# KiCad board sakura50.kicad_pcb (continued)
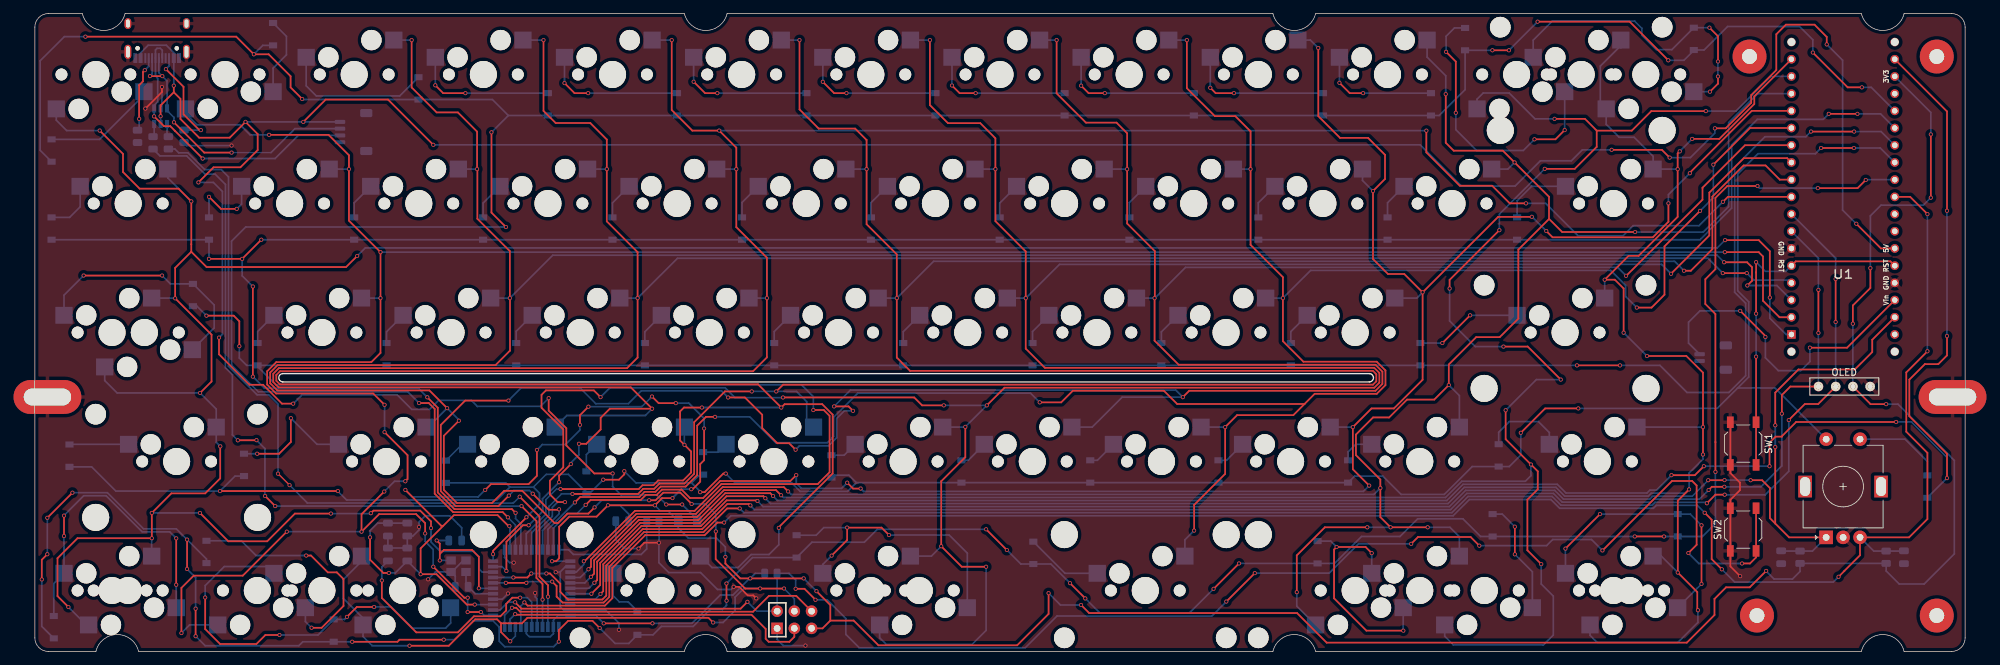
[diagram p0: board, top side]
## Routing (per net, layer and track width the routed paths; a pad name or vN(x,y) marks a point on that pad's centre or on a via; arc(x,y) is an arc through that point) (continued)
  Bottom w0.25: v1(241.12,72.93) 244.19,72.93 247.78,76.53 247.78,77.24 v1(247.79,77.25) ; v1(264.29,89.64) 266.62,87.31 266.62,65.18 v1(268.65,63.16) ; v1(27.16,46.34) 27.66,46.84 27.66,67.93 26.32,69.26 v1(24.12,69.26) ; J3.1 v1(39.59,78.2) v1(31.07,78.2) ; F1.1 97.71,19.59 ; v1(58.77,74.81) 204.32,74.81 210.41,68.72 218.32,68.72 222.05,72.45 226.62,72.45 228.24,74.07 v1(232.56,74.07) ; v1(20.49,83.55) USB1.11 20.48,87.64 20.48,88.43 19.39,89.52 16.71,89.52 15.59,88.4 USB1.2 ; v1(93.12,21.7) 91.71,23.11 86.47,23.11 85.21,24.37 v1(85.21,26.28) ; v1(95.47,21.7) 97.71,19.46 ; v1(75.78,37.41) 74.56,36.19 65.25,36.19 64.37,37.07 59.55,37.07 58.23,35.75 55.59,35.75 53.44,37.9 39.41,37.9 v1(38.1,36.59) ; U3.5 v1(18.54,79.04)
/MCU_D+: length 120.5
  Top w0.2: 32.67,31.19 v1(32.69,31.2)
  Top w0.25: v1(74.88,7.66) 74.88,9.96 73.98,10.86 73.98,19.27 v1(71.78,21.47) ; v1(33.96,22.96) v1(35.45,21.47) ; v1(29.94,31.19) 32.67,31.19
  Bottom w0.25: v1(29.94,31.19) 29.13,31.99 29.13,40.87 28.11,41.89 28.11,68.96 26.59,70.49 25.09,70.49 22.39,73.18 18.44,73.18 R1.2 ; v1(33.96,22.96) 33.94,22.98 33.94,29.95 v1(32.69,31.2) ; U2.4 v1(74.88,7.66) ; v1(35.45,21.47) v1(71.78,21.47)
/MCU_D-: length 117.2
  Top w0.2: v1(35.86,26.25) 35.87,26.25 v1(37.56,24.56)
  Top w0.25: v1(75.68,8.09) 75.68,9.8 74.42,11.05 74.42,19.93 v1(71.5,22.85)
  Bottom w0.25: v1(37.56,24.56) 40.19,21.93 40.19,21.92 70.57,21.92 v1(71.5,22.85) ; R2.2 20.65,74.2 21.22,73.63 22.58,73.63 25.05,71.16 27.49,71.16 28.56,70.09 28.56,42.12 32.78,37.9 34.5,37.9 35.86,36.54 v1(35.86,26.25) ; U2.3 v1(75.68,8.09)
col0: length 457.1
  Top w0.25: v1(47.54,58.4) 45.9,56.76 25.33,56.76 23.07,59.02 ; v1(27.35,30.28) 27.34,30.27 27.34,25.56 25.12,23.34 20.14,23.34 v1(17.25,20.45) v1(17.25,16.72) 6.28,16.72 3.34,13.77 3.34,8.17 v1(4.94,6.56) ; v1(58.43,18.21) 58.43,19.2 56.83,20.8 49.94,20.8 v1(49.56,20.41) ; 23.07,59.02 23.07,60.12 23.07,60.12 v1(23.07,66.46) 21.19,68.34 15.45,68.34 13,70.79 13,73.48 v1(9.56,76.92) ; 23.07,59.02 20.69,56.64 v1(20.69,52.15) 26.06,46.78 26.06,39.86 v1(24.37,38.17) ; v1(255.89,52.26) 255.89,59.1 254.26,60.74 v1(249.29,60.74) ; v1(24.35,20.45) 28.53,16.27 34.26,16.27 38.36,20.36 v1(43.66,20.36)
  Bottom w0.25: v1(47.54,58.4) 48.72,59.59 248.14,59.59 v1(249.29,60.74) ; U1.1 258.29,46.81 255.89,49.21 v1(255.89,52.26) ; MX1.2 3.16,78.45 4.69,76.92 v1(9.56,76.92) ; MX60.2 7.59,3.92 v1(4.94,6.56) ; v1(20.69,52.15) 20.66,52.18 MX27.2 ; v1(17.25,20.45) v1(24.35,20.45) ; v1(17.25,16.72) 17.22,16.7 MX51.2 ; v1(49.56,20.41) 49.51,20.36 v1(43.66,20.36) ; v1(58.43,18.21) 58.43,16.17 59.8,14.8 64.72,14.8 65.54,13.98 65.54,12.17 65.99,11.72 U2.20 ; v1(27.35,30.28) 26.75,30.88 MX39.2 26.75,35.8 v1(24.37,38.17) 12.13,38.17 10.3,40 MX28.2 ; v1(23.07,66.46) 19.6,69.93 MX15.2
col1: length 415.8
  Top w0.25: v1(51.57,36.42) 49.9,38.1 35.58,38.1 34.26,39.42 34.26,41.38 35.61,42.73 49.62,42.73 50.98,44.08 v1(50.98,52.18) v1(50.98,58.96) 46.32,63.62 v1(46.32,71.23) 46.32,73.28 43.31,76.29 v1(34.54,76.29) ; v1(57.57,17.43) 57.57,18.95 56.23,20.28 50.77,20.28 48.18,17.69 v1(48.18,17.69) 48.18,20.26 v1(51.53,23.62) ; v1(54.64,25.13) 54.97,25.46 54.97,28.99 v1(51.57,32.38) ; v1(37.16,17.69) 30.66,11.19 23.42,11.19 21.62,9.39 v1(21.62,2.72) ; v1(58.77,12.51) 63.34,7.94 v1(63.83,7.94) ; v1(65.78,5.82) v1(63.83,5.82) ; v1(249.26,58.96) 254.25,58.96 254.89,58.32 254.89,51.79 257.33,49.35 U1.2
  Bottom w0.25: MX2.2 22.21,79.45 23.88,77.77 30.26,77.77 31.74,76.29 v1(34.54,76.29) ; v1(63.83,5.82) v1(63.83,7.94) ; v1(37.16,17.69) v1(48.18,17.69) ; v1(21.62,2.72) 22.82,3.92 MX52.2 ; v1(57.57,17.43) 57.57,16.24 58.75,15.06 58.75,12.53 v1(58.77,12.51) ; v1(50.98,58.96) v1(249.26,58.96) ; v1(51.57,36.42) v1(51.57,32.38) ; U2.12 66.27,5.32 v1(65.78,5.82) ; v1(51.53,23.62) 53.05,25.13 v1(54.64,25.13) ; MX16.2 v1(46.32,71.23) ; MX29.2 v1(50.98,52.18)
col2: length 496.7
  Top w0.25: 68.76,4.16 68.17,4.74 64.94,4.74 61.05,0.84 v1(55.26,0.84) ; 68.76,4.16 71.83,4.16 72.65,4.97 99.35,4.97 v1(100.04,4.28) ; 68.76,4.16 68.76,2.85 v1(70.11,1.5) ; v1(82.55,21.27) 81.63,20.36 78.54,20.36 77.14,18.96 76.64,18.96 71.88,23.72 69.22,23.72 67.42,21.92 62.25,21.92 60.32,23.85 60.32,31.85 v1(62.54,34.07) ; v1(55.57,90.28) 55.57,83.29 59.26,79.6 62.39,79.6 65.22,76.76 v1(65.22,71.23) 65.27,71.19 65.27,63.9 70.06,59.11 v1(70.06,52.18) 70.07,52.16 70.07,44.42 67.94,42.28 35.8,42.28 34.71,41.19 34.71,39.6 35.76,38.55 58.19,38.55 v1(60.81,35.93) ; v1(100.43,17.72) 100.42,17.71 100.42,13.64 104.76,9.29 v1(106.98,9.29) 110.49,9.29 v1(110.49,9.3) ; v1(252.58,54.04) 253.26,54.72 253.26,56.75 252.54,57.47 v1(249.15,57.47) ; v1(96.87,21.78) 95.2,23.45 92.68,23.45 91.56,22.33 v1(90.6,22.33)
  Bottom w0.25: MX3.2 v1(55.57,90.28) ; MX40.2 58.01,33.13 v1(60.81,35.93) 62.54,34.19 v1(62.54,34.07) ; v1(96.87,21.78) 98.91,21.78 100.43,20.26 v1(100.43,17.72) ; U2.9 70.88,2.26 v1(70.11,1.5) ; v1(106.98,9.29) 104.55,9.29 103.27,8.01 103.27,6.05 101.5,4.28 v1(100.04,4.28) ; v1(110.49,9.3) 112.02,7.77 J2.3 ; v1(252.58,54.04) 256.93,54.04 U1.3 ; v1(249.15,57.47) 248.11,58.51 76.39,58.51 v1(70.06,52.18) MX30.2 ; MX17.2 v1(65.22,71.23) ; v1(55.26,0.84) 49.76,0.84 48.4,2.21 MX53.2 48.4,4.92 45.48,7.85 45.48,10.61 48.18,13.31 MX61.2 ; v1(82.55,21.27) 83.6,22.33 v1(90.6,22.33)
col3: length 407
  Top w0.25: v1(77.32,24.99) 77.32,25.94 v1(79.05,27.67) ; v1(75.02,90.28) 75.02,79.83 76.81,78.03 81.92,78.03 84.35,75.6 v1(84.35,71.23) 84.35,63.51 88.9,58.97 v1(88.9,52.18) 88.9,43.4 87.33,41.83 35.98,41.83 35.16,41.01 35.16,39.79 35.95,39 87.9,39 91.04,35.86 v1(91.04,35.85) 84.8,35.85 83.45,34.49 83.45,32.79 81.33,30.66 v1(80.25,30.66) ; v1(248.95,55.87) v1(252.49,55.87) ; v1(69.55,11.88) 69.55,16.2 71.98,18.63 v1(72.83,18.63)
  Bottom w0.25: MX18.2 v1(84.35,71.23) ; v1(248.95,55.87) 246.76,58.06 94.78,58.06 v1(88.9,52.18) MX31.2 ; v1(79.05,27.67) 79.05,27.85 80.25,29.05 v1(80.25,30.66) ; v1(91.04,35.85) 90.04,34.85 78.47,34.85 MX41.2 ; U2.21 68.91,12.52 v1(69.55,11.88) ; v1(72.83,18.63) 74.91,20.72 74.91,21.77 74.88,21.8 74.88,22.56 77.32,24.99 v1(77.32,24.99) ; v1(252.49,55.87) 253.51,54.85 258.66,54.85 U1.4 ; MX4.2 v1(75.02,90.28)
col4: length 486.4
  Top w0.25: v1(205.24,76.9) 205.23,76.9 205.23,73.69 210.15,68.77 214.94,68.77 217.54,66.17 v1(219.93,66.17) ; v1(98.38,36.02) 95.74,36.02 95.16,35.45 95.16,31.16 v1(95.81,30.5) 96.79,29.53 96.79,26.42 95.61,25.24 91.93,25.24 91.23,24.55 89.62,24.55 89.06,23.98 v1(77.54,23.98) ; U1.9 249.71,67.13 v1(248.98,66.4) ; v1(93.93,90.28) 93.93,79.95 96.97,76.91 v1(100.94,76.91) 103.46,74.39 v1(103.46,71.23) 103.46,62.66 107.97,58.15 107.97,52.18 v1(107.97,52.18) 107.97,43.42 105.93,41.38 36.17,41.38 35.61,40.82 35.61,39.97 36.14,39.45 106.66,39.45 v1(110.09,36.02) 110.58,36.51 116.13,36.51 117.67,34.97 117.67,26.28 109.73,18.35 v1(109.73,18.24)
  Bottom w0.25: v1(248.98,66.4) 245.45,62.88 235.73,62.88 234.24,61.39 227.61,61.39 222.83,66.17 v1(219.93,66.17) ; U2.27 72.48,17.38 75.36,20.26 75.36,22.4 76.94,23.98 v1(77.54,23.98) ; v1(95.81,30.5) 95.8,30.51 MX42.2 ; v1(98.38,36.02) v1(110.09,36.02) ; v1(205.24,76.9) 205.23,76.91 v1(100.94,76.91) ; v1(109.73,18.24) 109.73,15.77 108.27,14.31 105.65,14.31 103.73,12.39 99.87,12.39 MX54.2 ; MX32.2 v1(107.97,52.18) ; MX19.2 v1(103.46,71.23) ; MX5.2 v1(93.93,90.28)
col5: length 434.8
  Top w0.25: v1(105.73,38.4) 101.78,38.4 97.23,33.85 97.23,26.23 95.8,24.8 92.12,24.8 91.34,24.02 89.73,24.02 88.97,23.26 v1(79.29,23.26) ; v1(112.78,90.28) 112.78,80.04 115.61,77.21 120.99,77.21 122.67,75.53 v1(122.67,71.23) 122.67,63.09 127.13,58.63 v1(127.13,52.18) 127.13,43.4 129.09,41.44 197.35,41.44 197.85,40.94 197.85,39.89 197.36,39.4 110.35,39.4 v1(109.35,38.4) ; U1.10 257.36,69.67 255.27,71.76 252.02,71.76 247.42,67.16 247.42,59.4 244.24,56.22 v1(243.23,56.22)
  Bottom w0.25: v1(105.73,38.4) v1(109.35,38.4) 112.34,38.4 113.84,36.9 113.84,34.15 MX43.2 ; U2.28 73.28,17.55 75.81,20.08 75.81,21.4 77.67,23.26 v1(79.29,23.26) ; v1(243.23,56.22) 241.84,57.61 132.56,57.61 v1(127.13,52.18) MX33.2 ; MX20.2 v1(122.67,71.23) ; MX6.2 v1(112.78,90.28)
col6: length 469
  Top w0.25: v1(140.41,36.34) 143.01,38.95 197.54,38.95 198.3,39.71 198.3,41.13 197.54,41.89 148.97,41.89 146.15,44.71 v1(146.15,52.18) 146.15,59.07 141.67,63.54 v1(141.67,71.23) 141.67,75.78 139.44,78.01 134.68,78.01 132.01,80.68 v1(132.01,90.28) ; v1(134.06,36.34) 130.86,36.34 129.69,37.51 v1(110.35,37.51) ; v1(140.3,12.51) 136.71,12.51 v1(133.68,15.54) 133.68,25.13 137.23,28.69 v1(137.23,33.17) ; v1(78.19,22.05) 77.1,22.05 75.97,23.19 75.97,25.22 77.94,27.19 77.94,32.78 74.73,35.99 74.73,37.9 75.37,38.55 82.44,38.55 v1(83.43,37.56) ; v1(241.33,55.77) 241.33,55.79 246.97,61.43 246.97,67.76 252.06,72.85 258.44,72.85 U1.11
  Bottom w0.25: v1(241.33,55.77) 239.93,57.16 151.13,57.16 v1(146.15,52.18) MX34.2 ; MX7.2 v1(132.01,90.28) ; MX44.2 137.2,33.13 v1(137.23,33.17) v1(140.41,36.34) v1(134.06,36.34) ; v1(110.35,37.51) 110.31,37.47 103.27,37.47 101.82,38.93 84.81,38.93 v1(83.43,37.56) ; MX62.2 132.22,14.08 v1(133.68,15.54) ; MX55.2 124.6,2.02 125.59,1.02 138.21,1.02 140.3,3.11 v1(140.3,12.51) ; v1(78.19,22.05) 77.1,22.05 76.32,21.28 76.32,19.95 74.08,17.71 U2.29 ; MX21.2 v1(141.67,71.23)
col7: length 419.5
  Top w0.25: v1(69.85,37.05) 63.47,37.05 59.87,33.45 59.87,23.67 62.06,21.47 68.36,21.47 v1(69.91,23.01) ; v1(234.69,55.47) 234.72,55.47 245.96,66.71 245.96,68.48 252.23,74.75 U1.12 ; v1(150.7,90.28) 150.7,82.42 155.03,78.09 159.53,78.09 161.1,76.52 v1(161.1,71.22) 161.1,63.2 165.18,59.11 165.18,52.22 v1(165.14,52.18) 165.14,45.89 168.7,42.34 197.73,42.34 198.75,41.31 198.75,39.52 197.73,38.5 170.26,38.5 v1(169.31,37.55) ; v1(117.88,36.19) 120.02,36.19 v1(120.67,35.53) ; v1(102.25,37.51) 104.72,37.51 107.28,34.95 107.28,32.98 109.51,30.75 111.25,30.75 v1(112.2,29.8) ; v1(73.43,23.29) 75.8,20.93 77.25,20.93 v1(77.31,20.99)
  Bottom w0.25: MX22.2 161.09,71.23 v1(161.1,71.22) ; v1(77.31,20.99) 77.31,20.31 74.88,17.87 U2.30 ; MX35.2 v1(165.14,52.18) 165.18,52.18 169.71,56.71 233.45,56.71 v1(234.69,55.47) ; v1(112.2,29.8) 112.77,30.37 117.06,30.37 118.26,31.57 118.26,34.4 119.39,35.53 v1(120.67,35.53) ; v1(102.25,37.51) 101.27,38.48 89.43,38.48 87.55,36.59 82.73,36.59 80.4,38.93 71.73,38.93 v1(69.85,37.05) ; v1(117.88,36.19) 120.29,38.59 168.27,38.59 v1(169.31,37.55) 160.37,37.55 155.95,33.13 MX45.2 ; MX8.2 v1(150.7,90.28) ; v1(69.91,23.01) 70.66,23.77 72.95,23.77 v1(73.43,23.29)
col8: length 362.2
  Top w0.25: v1(170.98,17.85) 170.98,21.64 175.56,26.22 v1(175.56,33.13) 177.32,34.89 185.61,34.89 187.26,36.54 ; 187.26,36.54 168.48,36.54 166.52,38.5 153.09,38.5 151.38,36.78 v1(148.21,36.78) ; 187.26,36.54 188.77,38.05 197.92,38.05 199.2,39.33 199.2,41.5 197.91,42.79 187.1,42.79 184.08,45.81 v1(184.08,52.18) 184.08,55.27 179.3,60.04 v1(179.3,71.23) 179.3,76.8 177.06,79.05 174.04,79.05 169.91,83.18 v1(169.91,90.28) ; v1(245.6,65.06) 240.35,59.82 240.35,52.68 238.46,50.78 v1(236.27,50.78) ; v1(247.57,71.89) 252.97,77.29 U1.13 ; v1(79.65,22.01) 80.45,22.81 89.17,22.81 89.92,23.57 91.53,23.57 92.3,24.35 95.98,24.35 97.68,26.05 97.68,33.34 98.99,34.64 v1(100.32,34.64)
  Bottom w0.25: MX23.2 v1(179.3,71.23) ; v1(247.57,71.89) 247.57,67.03 v1(245.6,65.06) ; v1(100.32,34.64) 105.44,34.64 109.26,30.82 116.88,30.82 117.81,31.75 117.81,34.59 121.36,38.14 146.85,38.14 v1(148.21,36.78) ; MX46.2 v1(175.56,33.13) ; v1(170.98,17.85) 169.62,16.48 MX56.2 ; MX36.2 v1(184.08,52.18) 188.16,56.26 232.42,56.26 234.62,54.06 234.62,52.43 v1(236.27,50.78) ; v1(79.65,22.01) 75.68,18.04 U2.31 ; MX9.2 v1(169.91,90.28)
col9: length 299.5
  Top w0.25: v1(196.8,24.49) 194.39,26.9 v1(194.39,33.13) 197.14,35.88 200.44,35.88 204.68,40.12 v1(204.68,53.04) ; v1(189.3,89.11) 189.3,79.05 192.51,75.84 196.64,75.84 199.14,73.33 199.14,69.78 v1(197.36,68) 197.36,57.95 199.57,55.73 201.98,55.73 v1(204.68,53.04) ; v1(240.94,66.17) 240.94,63.45 238.65,61.16 223.85,61.16 v1(222.92,62.09) ; v1(121.79,24.06) 120.68,24.06 v1(119.81,24.92) ; 98.55,22.65 101.07,25.17 111.42,25.17 v1(112.3,26.04) ; 98.56,22.65 96.63,22.65 95.39,23.9 92.49,23.9 91.71,23.12 90.11,23.12 89.35,22.36 81.96,22.36 v1(81.24,21.64) ; v1(244.09,70.61) 244.09,70.7 253.23,79.83 U1.14 ; v1(204.68,53.04) 215.82,64.17 220.78,64.17 v1(220.79,64.18)
  Bottom w0.25: v1(119.81,24.92) 118.98,24.09 113.06,24.09 112.3,24.85 v1(112.3,26.04) ; v1(222.92,62.09) 220.84,64.17 ; U2.32 76.48,18.2 78.64,20.36 79.96,20.36 v1(81.24,21.64) ; v1(194.39,33.13) MX47.2 ; MX37.2 203.82,52.18 v1(204.68,53.04) ; v1(240.94,66.17) 240.94,67.46 v1(244.09,70.61) ; MX24.2 195.82,69.54 v1(197.36,68) ; v1(189.3,89.11) 188.13,90.28 MX10.2 ; v1(121.79,24.06) 122.21,23.64 195.94,23.64 v1(196.8,24.49)
col10: length 333.3
  Top w0.25: v1(205.43,18.33) v1(199.96,18.33) 198.45,19.84 v1(198.45,24.13) 198.45,25.39 194.84,28.99 194.84,32.02 197.37,34.55 199.75,34.55 202.39,37.2 206.4,37.2 v1(208.54,39.34) 208.54,42.37 212.58,46.41 216.05,46.41 218.8,49.16 218.8,59.35 223.33,63.87 ; 223.33,63.87 225.27,61.94 v1(236.03,61.94) ; 223.33,63.87 223.33,67.13 216.51,73.95 209.27,73.95 208.09,75.12 v1(208.09,82.3) ; v1(196.52,18.33) 190.27,18.33 186.12,14.19 v1(186.12,8.75) ; v1(111.1,23.63) 110.46,24.27 101.45,24.27 97.49,20.31 88.7,20.31 82.03,13.64 82.03,12.51 v1(81.66,12.14)
  Bottom w0.25: MX57.2 186.12,6.69 v1(186.12,8.75) ; MX48.2 210.1,37.78 v1(208.54,39.34) ; v1(236.03,61.94) 246.07,61.94 249.81,65.68 249.81,78.07 254.11,82.37 U1.15 ; v1(208.09,82.3) 208.09,85.01 205.34,87.77 MX11.2 ; v1(81.66,12.14) 80.44,10.92 U2.37 ; v1(198.45,24.13) 197.5,23.19 111.54,23.19 v1(111.1,23.63) ; v1(218.25,72.21) 217.26,71.23 MX25.2 ; v1(205.43,18.33) 208.71,18.33 210.1,16.94 MX63.2 ; v1(196.52,18.33) v1(199.96,18.33)
col11: length 331.6
  Top w0.25: v1(216,62.21) 208.66,54.87 v1(208.66,53.6) ; v1(246.46,79.79) 238.42,79.79 235.53,76.91 230.36,76.91 ; v1(222.7,71.27) 227.11,71.27 230.36,74.52 230.36,76.91 ; 230.36,76.91 228.62,78.65 v1(224.14,78.65) ; v1(110.06,23.07) 109.31,23.82 101.63,23.82 97.67,19.86 88.89,19.86 83.42,14.39 83.42,14.39 82.48,13.46 82.48,11.49 v1(82.01,11.02) ; v1(216.61,45.02) 220.18,45.02 v1(225.06,40.15) ; v1(216.93,35.62) 216.93,31.34 v1(220.66,27.61) 221.66,26.61 221.66,23.95 220.14,22.42 220.14,14.94 v1(222.18,12.9)
  Bottom w0.25: v1(208.66,53.6) 208.66,48.81 212.45,45.02 v1(216.61,45.02) ; v1(216.93,35.62) 221.46,40.15 v1(225.06,40.15) ; v1(222.7,71.27) 216,64.58 v1(216,62.21) ; v1(110.06,23.07) 110.39,22.74 208.06,22.74 210.46,25.13 219.84,25.13 220.66,25.96 v1(220.66,27.61) ; MX58.2 207.94,2.25 209.23,0.96 222.5,0.96 223.96,2.42 223.96,8.18 222.18,9.96 v1(222.18,12.9) ; v1(82.01,11.02) 81.11,10.12 U2.38 ; v1(224.14,78.65) 221.26,78.65 217.45,82.46 213.62,82.46 212.71,81.55 MX12.2 ; U1.16 256.02,84.91 250.9,79.79 v1(246.46,79.79)
col12: length 351.1
  Top w0.25: v1(237.77,43.64) 243.57,43.64 246.03,41.18 v1(246.03,33.13) v1(246.03,29.08) ; v1(242.6,73.85) 242.3,73.55 v1(242.3,71.23) 242.3,64.18 236.55,58.42 235.06,58.42 v1(231.54,54.9) 233.03,54.9 234.33,53.6 v1(234.33,47.08) ; v1(244.44,75.69) 248.45,75.69 253.6,80.84 253.6,81.97 U1.17 ; v1(243.98,23.93) 242.32,22.26 v1(242.32,11.65) 245.19,8.78 245.19,6.19 v1(245.29,6.09) ; v1(82.08,8.52) 83.38,9.82 83.38,13.08 89.27,18.96 98.05,18.96 102,22.92 107.45,22.92 v1(107.74,22.63)
  Bottom w0.25: v1(246.03,33.13) MX49.2 ; U2.40 v1(82.08,8.52) ; 233.92,89.47 230.89,86.44 230.89,80.99 MX13.2 231.76,77.84 233.67,75.93 235.87,75.93 238.68,73.12 MX26.2 v1(242.3,71.23) ; MX38.2 v1(231.54,54.9) ; v1(107.74,22.63) 107.74,22.61 108.51,21.84 208.44,21.84 210.83,24.23 224.35,24.23 225.64,22.95 237.98,22.95 238.41,23.38 243.43,23.38 v1(243.98,23.93) 243.98,26.34 246.03,28.39 v1(246.03,29.08) ; v1(234.33,47.08) v1(237.77,43.64) ; v1(242.32,11.65) 239.89,14.08 MX64.2 ; v1(242.6,73.85) v1(244.44,75.69) ; v1(245.29,6.09) 245.29,4.29 242.33,1.33 230.43,1.33 229.37,2.38 MX59.2 ; MX14.2 233.92,89.12
col13: length 299.1
  Top w0.25: v1(282.02,46.58) 282.02,43.72 280.74,42.43 278.76,42.43 276.47,40.14 276.47,34.75 282.02,29.19 v1(282.02,25.59) ; v1(241.39,26.03) 244.84,26.03 v1(246.16,27.35) ; U1.18 282.02,79.75 v1(282.02,65.07) ; v1(82.53,10.15) 82.93,10.55 82.93,13.27 82.94,13.27 89.08,19.41 97.86,19.41 101.82,23.37 108.47,23.37 v1(108.88,22.96) ; 257.71,31.72 256.75,31.72 255.85,30.83 v1(255.85,27.35) ; 257.61,31.72 259.78,33.89 v1(274.52,33.89)
  Bottom w0.25: v1(241.39,26.03) 239.19,23.82 238.21,23.82 237.78,23.4 225.83,23.4 224.54,24.68 210.65,24.68 208.25,22.29 109.52,22.29 108.88,22.93 v1(108.88,22.96) ; v1(82.53,10.15) 81.7,9.32 U2.39 ; v1(282.02,65.07) v1(282.02,46.58) ; v1(255.85,27.35) v1(246.16,27.35) ; v1(274.52,33.89) 276.79,33.89 282.02,28.65 v1(282.02,25.59) 282.01,25.59 D48.2
D+: length 43.4
  Top w0.25: v1(24.75,72.79) 20.66,76.87 20.66,76.87 19.97,77.56 19.04,77.56 v1(17.58,79.02)
  Bottom w0.25: USB1.8 18.79,88.78 18.5,89.07 18.03,89.07 17.79,88.83 USB1.6 17.79,84.97 18.12,84.64 18.12,81.17 17.62,80.67 ; 17.59,80.02 17.59,78.88 ; J3.3 38.84,76.2 35.43,72.79 v1(24.75,72.79)
D-: length 42.8
  Top w0.25: v1(20.52,78.14) 20.52,78.13 24.98,73.66 v1(29.01,73.66) ; v1(16.97,84.96) v1(18.8,84.96)
  Bottom w0.2: v1(29.01,73.66) 34.82,73.66 34.83,73.67 ; 19.49,79.89 U3.3
  Bottom w0.25: 34.83,73.67 38.36,77.2 J3.2 ; v1(20.52,78.14) 20.52,78.86 19.49,79.89 ; U3.3 19.49,84.26 v1(18.8,84.96) 18.29,85.47 USB1.7 ; USB1.5 17.29,85.28 v1(16.97,84.96)
IO1: length 1.8
  Bottom w0.25: R1.1 17.59,76.18 17.59,77.72
IO2: length 1.8
  Bottom w0.25: 19.49,77.72 19.49,76.22 R2.1
MISO: length 49.6
  Top w0.25: J2.1 112.29,8.21 108.27,8.21 105.93,5.87 71.58,5.87 71,6.45 v1(70.38,6.45)
  Bottom w0.25: v1(70.38,6.45) 69.28,5.35 U2.11
MOSI: length 47.5
  Top w0.25: v1(70.84,5.51) 70.93,5.42 105.69,5.42 107.79,3.33 107.79,1.87 108.23,1.43 111.28,1.43 112.02,2.16 J2.4
  Bottom w0.25: v1(70.84,5.51) 70.08,4.75 U2.10
reset: length 51.8
  Top w0.25: v1(253.87,57.49) 253.87,55.97 253.87,55.97 v1(253.87,49.88) ; U1.30 273.68,57.61 259.71,57.61 U1.5 ; SW1.1 SW1.1 v1(253.87,43.53)
  Bottom w0.25: U1.5 258.24,56.13 255.23,56.13 v1(253.87,57.49) ; v1(253.87,49.88) v1(253.87,43.53)
rot0: length 252.9
  Top w0.25: v1(246.81,25.29) 249.19,25.29 v1(249.21,25.3) ; U1.33 271,46.03 271,44.21 268.43,41.64 260.11,41.64 256.7,38.22 v1(256.7,33.4) ; 256.7,18.89 v1(256.7,30.18) ; 256.7,18.89 258.74,16.85 MX50.A ; 256.7,18.89 255.91,19.68 255.91,24.13 254.75,25.29 v1(253.06,25.29) ; v1(106.57,22.22) 106.48,22.31 102.03,22.31 98.23,18.51 89.45,18.51 83.83,12.89 83.83,8.9 v1(83.42,8.49)
  Bottom w0.25: v1(246.81,25.29) 244.45,22.93 238.59,22.93 238.17,22.5 225.45,22.5 224.17,23.78 211.02,23.78 208.62,21.39 107.4,21.39 v1(106.57,22.22) ; U2.41 82.65,7.72 v1(83.42,8.49) ; C2.1 257.6,14.83 R4.2 262.18,14.83 MX50.A ; v1(249.21,25.3) 253.05,25.3 v1(253.06,25.29) ; v1(256.7,33.4) v1(256.7,30.18)
rot1: length 295.1
  Top w0.25: v1(248.82,12.13) 247.32,13.63 247.32,19.45 v1(246.29,20.48) ; v1(101.66,19.03) 100.66,19.03 98.79,17.17 90.01,17.17 85.18,12.33 85.18,7.87 84.08,6.77 72.68,6.77 v1(72.2,7.24) ; U1.26 276.59,67.13 v1(279.14,64.59) ; v1(279.14,44.33) 276.02,41.21 276.02,32.45 279.14,29.33 279.14,19.56 276.43,16.85 MX50.B 269.2,14.2 266.88,11.89 266.88,11.88 v1(266.03,11.03)
  Bottom w0.25: v1(279.14,44.33) v1(279.14,64.59) ; MX50.B 271.22,14.83 R5.2 275.64,14.83 C3.1 ; v1(266.03,11.03) 265.25,10.25 250.7,10.25 v1(248.82,12.13) ; v1(246.29,20.48) 245.19,21.58 239.16,21.58 238.72,21.14 224.9,21.14 223.61,22.44 211.58,22.44 209.18,20.04 102.66,20.04 v1(101.66,19.03) ; v1(72.2,7.24) 71.68,6.72 U2.8
row0: length 460.3
  Top w0.25: v1(56.67,36.68) 58.1,36.68 58.97,35.81 58.97,23.29 61.69,20.57 69,20.57 v1(69.77,19.81) ; v1(221.64,93) 235.22,93 v1(240.92,87.3) ; v1(262.24,88.44) 267.38,83.3 v1(269.47,83.3) ; v1(39.43,81.58) 37.71,83.3 37.71,84.95 34.48,88.18 v1(32.3,88.18) 29.7,90.79 v1(7.46,90.79) ; v1(69.47,62.68) 67.34,64.8 v1(67.34,76.66) ; v1(214.98,88.77) v1(217.42,88.77)
  Bottom w0.25: v1(214.98,88.77) D12.1 210.94,82.96 207.13,79.14 D11.1 69.83,79.14 ; v1(69.47,62.68) 31.09,62.68 29.01,60.59 29.01,42.3 32.96,38.35 55,38.35 v1(56.67,36.68) ; v1(217.42,88.77) v1(221.64,93) ; U1.21 270.85,83.3 v1(269.47,83.3) ; U2.25 70.88,18.69 v1(69.77,19.81) ; v1(7.46,90.79) 4.34,90.79 0.78,87.22 0.78,74.01 D1.1 ; v1(32.3,88.18) 33.62,89.5 D2.1 ; 69.83,79.14 67.48,81.5 D3.1 39.51,81.5 v1(39.43,81.58) ; 69.83,79.14 v1(67.34,76.66) ; v1(240.92,87.3) 243.23,87.3 244.68,88.75 D13.1 246.19,88.81 249.67,92.29 260.28,92.29 262.24,90.33 v1(262.24,88.44)
row1: length 368.1
  Top w0.25: v1(57.89,37.53) 59.42,35.99 59.42,23.48 61.88,21.02 70.35,21.02 v1(70.9,20.47) ; v1(25.67,57.97) v1(30.57,57.97) v1(33.4,60.8) ; v1(264.59,79.39) v1(268.81,79.39) ; v1(32.15,40.58) v1(32.15,53.89)
  Bottom w0.25: D14.1 D15.1 25.68,57.98 v1(25.67,57.97) ; v1(33.4,60.8) D16.1 D25.1 245.6,60.8 250.26,65.46 250.26,74.78 254.06,78.58 263.78,78.58 v1(264.59,79.39) ; v1(32.15,40.58) 33.86,38.87 56.54,38.87 v1(57.89,37.53) ; U2.26 71.68,18.85 70.9,19.63 v1(70.9,20.47) ; v1(30.57,57.97) 30.57,55.47 v1(32.15,53.89) ; U1.22 272.22,79.39 v1(268.81,79.39)
row2: length 438.3
  Top w0.25: v1(114.82,35.65) 116.36,35.65 117.22,34.79 117.22,26.47 115.47,24.72 101.26,24.72 97.3,20.76 88.51,20.76 81.07,13.32 v1(80.96,13.32) ; v1(233.8,42.25) v1(227.45,42.25) ; v1(25.31,49.59) 29.32,49.59 30.16,48.75 v1(30.16,45.08) ; v1(261.97,76.77) v1(268.32,76.77)
  Bottom w0.25: D26.1 23.91,50.98 v1(25.31,49.59) ; D27.1 31.24,42.25 30.16,43.33 v1(30.16,45.08) ; D27.1 D36.1 v1(227.45,42.25) ; D27.1 32.85,42.07 35.55,39.38 113.07,39.38 114.82,37.63 v1(114.82,35.65) ; v1(268.32,76.77) 272.3,76.77 U1.23 ; v1(80.96,13.32) 80.96,12.83 79.86,11.72 U2.36 ; v1(261.97,76.77) 261.21,76.01 255.17,76.01 250.71,71.54 250.71,53.04 252.33,51.42 252.33,40.72 249.86,38.25 243.68,38.25 239.68,42.25 v1(233.8,42.25)
row3: length 376.3
  Top w0.25: v1(227.65,35.89) 222.76,35.89 v1(219.16,32.29) ; v1(268.29,74.34) 268.29,74.34 v1(263.45,74.34) ; v1(72.5,19.82) 72.5,19.79 67.58,14.87 v1(67.58,14.37) ; v1(86.94,26.63) 86.94,26.16 86.14,25.36 v1(83.83,25.36) ; v1(98.12,23.52) 98.79,23.52 101.54,26.27 v1(101.9,26.27) ; v1(44.69,23.68) v1(27.31,23.68)
  Bottom w0.25: U2.22 v1(67.58,14.37) ; U1.24 272.19,74.34 v1(268.29,74.34) ; D38.1 29.52,25.9 v1(27.31,23.68) 11.94,23.68 8.37,27.26 D37.1 ; v1(44.69,23.68) 44.69,23.65 45.97,22.37 68.17,22.37 70.07,24.27 ; 70.07,24.27 69.44,24.89 D39.1 ; 70.07,24.27 73.53,24.27 ; v1(227.65,35.89) 248.14,35.89 251.16,38.91 ; 251.16,38.91 252.78,40.53 252.78,51.63 251.16,53.26 251.16,70.52 254.14,73.5 262.61,73.5 v1(263.45,74.34) ; 251.16,38.91 256.64,38.91 MX50.S2 ; v1(83.83,25.36) 81.75,23.29 D40.1 81.34,23.51 78.71,26.15 75.41,26.15 73.53,24.27 ; 121.16,24.93 120.06,26.03 117.84,26.03 D42.1 ; 121.16,24.93 119.87,23.64 112.87,23.64 111.61,24.89 103.27,24.89 v1(101.9,26.27) ; 121.16,24.93 D46.1 194.66,25.9 198.81,25.9 201.52,23.19 207.88,23.19 211.99,27.3 D47.1 217.46,27.3 219.16,29 v1(219.16,32.29) ; 96.86,24.89 98.09,26.12 D41.1 ; 96.86,24.89 98.12,23.64 v1(98.12,23.52) ; 96.86,24.89 88.67,24.89 v1(86.94,26.63) ; 73.53,24.27 74.43,23.38 74.43,21.75 v1(72.5,19.82)
row4: length 397.3
  Top w0.25: v1(173.85,9.25) v1(177.6,13) ; v1(270.04,69.62) 268.84,68.42 v1(262.97,68.42) ; v1(102.02,7.5) 102.01,7.52 v1(102.01,10.03) ; v1(83.3,3.46) 82.24,4.52 78.65,4.52 77.28,3.15 v1(77.28,1.46) ; v1(254.07,68.73) 249.62,68.73 247.87,66.97 247.87,56.45 246.38,54.96 246.38,51.31 247.87,49.82 247.87,30.92 247.87,30.91 v1(247.87,26.53) ; v1(60.3,1.73) 53.78,1.73 53.48,1.43 v1(46.8,1.43) ; v1(22.45,16.52) v1(22.45,12.18) ; v1(1.02,10.63) 1.02,13.54 v1(1.84,14.36) ; v1(154.93,7.83) 154.93,7.83 v1(152.68,10.08) ; v1(23.71,6.32) v1(23.71,2.26) ; v1(1.84,19.74) v1(5.54,23.44) ; v1(140.3,18.04) v1(143.36,14.98) ; v1(240.28,16.98) v1(235.97,16.98)
  Bottom w0.25: v1(270.04,69.62) 270.09,69.67 U1.25 ; v1(102.01,10.03) 105.84,13.86 D53.1 114.61,16.13 122.34,16.13 124.25,18.04 v1(140.3,18.04) ; v1(83.3,3.46) 85.58,1.19 87.6,1.19 D52.1 91.16,2.45 92.41,3.7 97.1,3.7 99.59,6.19 101.4,6.19 102.01,6.8 102.01,7.48 v1(102.02,7.5) ; v1(173.85,9.25) 170.28,5.68 157.08,5.68 v1(154.93,7.83) ; v1(23.71,2.26) 25.12,0.85 38.93,0.85 39.52,1.43 D51.1 v1(46.8,1.43) ; v1(152.68,10.08) 149.85,12.91 D54.1 145.43,12.91 v1(143.36,14.98) ; v1(247.87,26.53) 247.87,26.52 247.87,18.89 245.95,16.98 D57.1 v1(240.28,16.98) ; v1(5.54,23.44) 10.69,23.44 16.03,18.11 20.86,18.11 25.31,13.66 D50.1 ; U2.1 v1(77.28,1.46) 76.52,0.7 69.3,0.7 68.48,1.53 68.48,3.61 67.57,4.52 64.66,4.52 61.87,1.73 v1(60.3,1.73) ; v1(177.6,13) D55.1 191.69,13 195.67,16.98 201.34,16.98 203.95,19.59 210.62,19.59 213.24,16.98 D56.1 v1(235.97,16.98) ; v1(22.45,12.18) 23.71,10.92 v1(23.71,6.32) ; v1(254.07,68.73) 254.38,68.42 v1(262.97,68.42) ; v1(1.02,10.63) 1.02,3.7 D49.1 ; v1(1.84,14.36) v1(1.84,19.74)
RST: length 233.3
  Top w0.25: v1(115.14,7.63) 113.51,9.25 v1(112.21,9.25) ; v1(202.99,15.89) 204,16.9 211.76,16.9 v1(213.04,15.62) ; v1(105.1,7.33) 104.09,6.32 71.77,6.32 70.84,7.24 v1(70.84,7.26) ; v1(231.21,14.91) 241.47,25.18 244.43,25.18 245.1,24.51 245.1,15.75 v1(243.88,14.54) ; v1(175.73,7.37) v1(179.93,11.57) ; v1(251.8,12.99) 252.97,12.99 253.87,13.89 SW2.2 SW2.2
  Bottom w0.25: v1(213.04,15.62) 222.97,15.62 223.87,16.53 229.59,16.53 v1(231.21,14.91) ; v1(251.8,12.99) 245.43,12.99 v1(243.88,14.54) ; v1(105.1,7.33) 106.48,5.95 J2.5 109.47,5.96 R6.2 111.23,11.53 112.21,10.56 v1(112.21,9.25) ; v1(179.93,11.57) 190.91,11.57 190.91,11.58 195.22,15.89 v1(202.99,15.89) ; v1(115.14,7.63) 116.86,7.63 119.62,4.87 119.62,2.52 121.59,0.54 146.07,0.54 150.75,5.23 173.59,5.23 v1(175.73,7.37) ; U2.13 68.62,6.12 69.76,7.27 70.83,7.27 v1(70.84,7.26)
SCL: length 250.4
  Top w0.25: v1(249.24,23.15) 247.88,23.15 v1(246.61,21.88) ; v1(69.47,10.13) 72.47,10.13 ; v1(76.3,10.32) 76.95,9.66 76.95,8.1 77.83,7.22 83.89,7.22 84.73,8.06 84.73,12.52 89.83,17.62 98.61,17.62 102.11,21.11 v1(103.95,21.11) ; J1.2 263.03,36.54 261.06,36.54 v1(258.69,34.17) ; v1(265.6,55) v1(265.6,48.65)
  Bottom w0.25: v1(258.69,34.17) 258.69,26.6 255.22,23.14 249.25,23.14 v1(249.24,23.15) ; U2.18 69.46,10.12 v1(69.47,10.13) ; v1(76.3,10.32) 72.67,10.32 v1(72.49,10.13) ; v1(265.6,55) 265.6,58.07 U1.8 ; v1(246.61,21.88) 246.47,22.03 238.97,22.03 238.54,21.6 225.08,21.6 223.79,22.89 211.39,22.89 208.99,20.49 104.58,20.49 v1(103.95,21.11) ; J1.2 265.6,39.13 v1(265.6,48.65)
SDA: length 246.2
  Top w0.25: v1(75.45,11.51) 75.99,11.51 77.5,10 77.5,8.79 78.62,7.67 83.7,7.67 84.28,8.24 84.28,12.7 89.64,18.06 98.42,18.06 102.13,21.78 105.32,21.78 v1(105.53,21.57) ; v1(257.67,35.12) 257.67,37.87 258.92,39.12 J1.1 ; v1(70.58,10.92) 72.64,10.92 v1(73.22,11.51) ; v1(249.19,24.32) 247.34,24.32 v1(246.87,23.84) ; v1(263.06,53.39) v1(263.06,47.04)
  Bottom w0.25: U2.19 v1(70.58,10.92) ; v1(263.06,47.04) 263.06,39.13 J1.1 ; v1(263.06,53.39) 263.06,58.07 U1.7 ; v1(257.67,35.12) 257.67,27.41 254.58,24.32 v1(249.19,24.32) ; v1(105.53,21.57) 105.53,21.53 106.13,20.94 208.81,20.94 211.2,23.34 223.98,23.34 225.27,22.05 238.35,22.05 238.78,22.48 245.5,22.48 v1(246.87,23.84) ; v1(73.22,11.51) v1(75.45,11.51)
XTAL1: length 19.8
  Top w0.25: v1(59.27,16.39) 59.72,15.93 59.72,14.39 ; 59.72,14.39 60.32,14.99 64.48,14.99 65.48,13.98 v1(65.48,9.32) ; 59.72,14.39 v1(59.72,13.44)
  Bottom w0.25: Y1.1 v1(59.72,13.44) ; C9.1 59.28,16.38 v1(59.27,16.39) ; U2.17 v1(65.48,9.32)
